# Altium PCB EinsyRetro.PcbDoc (part 3 of 5)
Units mil, origin at the board's own origin, x right, y up, seen from the top; angles counter-clockwise.
Board outline 4134 x 2795 mil, 6 copper layers (Top, GND, Signal Layer 1, Supply, Signal Layer 2, Bottom), stack 61.838 mil thick; 427 components, 287 nets, 1377 pads, 895 vias.
Unrouted connection lines stored in the file: 3.
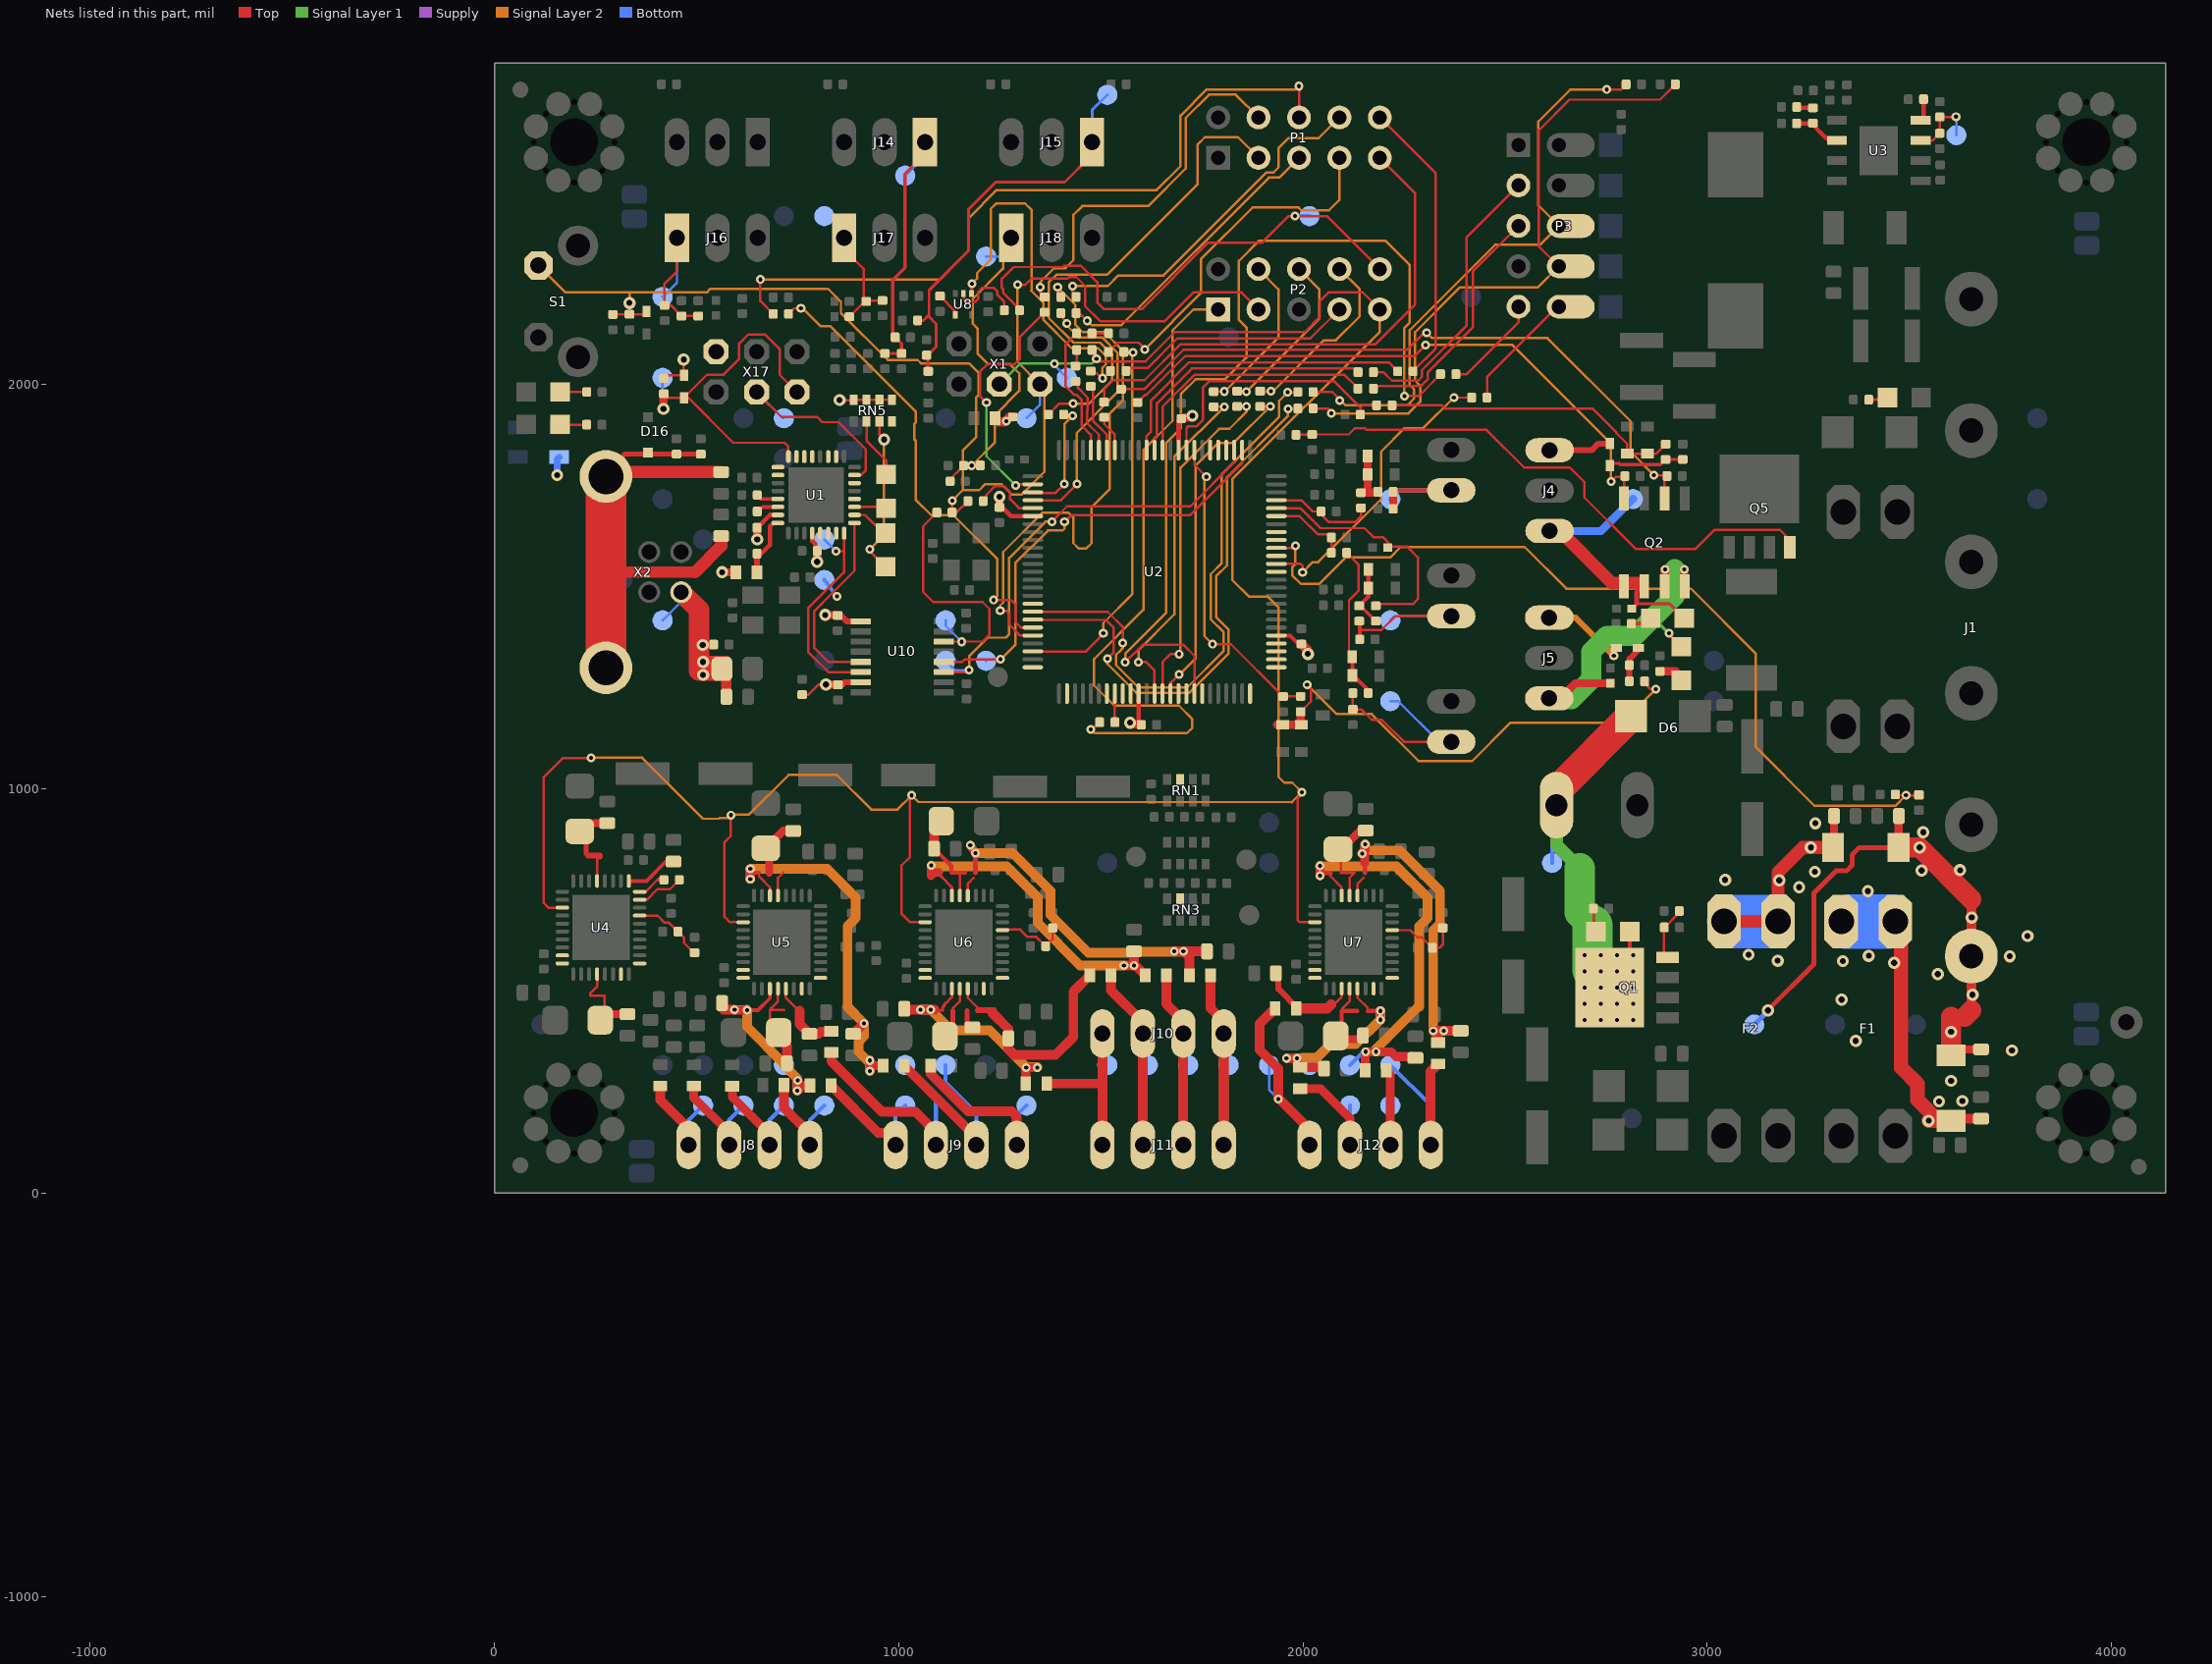
[diagram p7: the nets of this part, all layers, seen from the top]

## Via types
v1: diameter 22, hole 10, Top to Bottom, tented both sides, 330 vias
v2: diameter 22, hole 10, Top to Bottom, 295 vias
v3: diameter 30, hole 15, Top to Bottom, 194 vias
v4: diameter 30, hole 15, Top to Bottom, tented both sides, 45 vias
v5: diameter 29, hole 15, Top to Bottom, tented both sides, 27 vias
v6: diameter 32, hole 15, Top to Bottom, tented both sides, 4 vias

## Nets (pads, with @x,y where several pads share a name; then routed paths per layer and width w, separated by ;. In a path a pad name is that pad's centre, name@x,y a point inside that pad or via, vN(x,y) a via of type N, cw(c..) or ccw(c..) an arc to the next point about the centre after c; other vN are vias at no path point) (continued)
NetC66_1: C66.1 FB10.1 U5.34 | length 998.9
  Top w6: 654.2,792 654.2,782.8 681.47,755.53 U5.34@681.47,735.21
  Top w10: 633,789 636,792 654.2,792
  Top w22: v1(633,776) 633,789 v1(633,801) ; v2(928.25,301.25) 928.25,314.25 ; v2(928.25,327.25) 928.25,314.25 ; FB10.1@961.07,314.25 928.25,314.25
  Top w24: C66.1@887.25,393.02 888.02,393.02 v2(914.25,419.25)
  Signal Layer 2 w22: v1(633,776) v1(633,801)
  Signal Layer 2 w24: v1(633,801) 823,801 893.5,730.5 893.5,679.5 873.5,659.5 873.5,459.5 v2@914,419 ; v2(914.25,419.25) 914.25,387.25 900.25,373.25 900.25,348.25 928.25,320.25 v2(928.25,301.25)
NetC71_2: C71.2 R7.1 U5.33 | length 211.7
  Top w6: U5.33@701.16,735.21 701.16,778.95 714.2,792
  Top w20: 679.8,792 679.8,843.22 R7.1@671,852.02 714.21,895.23 C71.2@739,895.23
NetC72_1: C72.1 R8.1 U6.25 | length 212.7
  Top w6: U6.25@1246.25,651.25 1300.25,651.25 1318.5,633 ; 1318,633 1318.5,633 ; 1335.25,633 1318.5,633 ; C72.1@1359,606.1 C72.1@1359,614.7 ; R8.1@1381,655.1 1381,627.3 C72.1@1363.7,610 C72.1@1359,614.7 ; 1318.5,633 1340.7,633 C72.1@1359,614.7
NetC74_1: C74.1 FB5.2 U1.32 | length 156
  Top w11: C74.1@649.7,1581 660,1581 681,1602 681,1648 690.1,1657.1 U1.32@701,1657.1
  Top w15: FB5.2@649.18,1535 649.18,1580.48 C74.1@649.7,1581
NetC75_1: C75.1 FB13.1 U6.32 | length 1005.3
  Top w6: U6.32@1170.84,735.21 1171.38,735.75 1171.38,765 1185.17,778.8 ; v1@1184.38,845 1187.38,842 v1@1185.17,839.8
  Top w12: v1@1187.38,842 1189.8,839.58 1189.8,792
  Top w20: v1(1177,860) v1@1187.38,842
  Top w24: v1(1681,597) v1(1704,597) v1@1705,597 ; FB13.1@1718.82,538 1718.82,583.18 v1@1705,597 ; C75.1@1762.23,597 v1@1705,597
  Supply w24: v1@1682,597 v1(1704,597)
  Signal Layer 2 w20: v1(1177,860) 1190.16,840.11 v1@1190.69,839.31
  Signal Layer 2 w24: v1@1190.16,840.11 1281.89,840.11 ; 1305,817 1281.89,840.11 ; v1@1703,596 1588.55,596 1586.05,593.5 1468.5,593.5 1375,687 1375,747 1281.89,840.11
  other v1: 1190,840
NetC76_1: C76.1 R14.1 U7.25 | length 188
  Top w6: U7.25@2220.48,649.59 2265.41,649.59 2283,632 2293.7,632 C76.1@2319.7,606 2338,606 2346,614 R14.1@2346,655.1
NetC77_1: C77.1 J14.1 R71.2 RV34.2 TP40.TP | length 709
  Top w8: RV34.2@965.55,2076.09 R71.2@1006.89,2076.09 1006.89,2100.57 985,2122.46 985,2257.64 1015.75,2288.39 1015.75,2520.67 1064.82,2569.74 J14.1@1064.82,2598.68
  Bottom w8: TP40.TP@1016,2516 1064.82,2564.82 J14.1@1064.82,2598.68
NetC78_1: C78.1 FB17.1 U7.32 | length 900.4
  Top w6: U7.32@2134.84,735.21 2135.38,735.75 2135.38,765 2149.17,778.8 ; v1@2145.38,842 2148.38,845 2150.19,843.19 2151.38,842 v1@2149.17,839.8
  Top w10: 2152.8,791 2153,791.2 2153,816
  Top w22: 2153,816 2153,820.18 2152.25,820.93 2152.25,832.75 v1(2146,839) 2150.19,843.19 2154,847 v1(2154,862)
  Top w24: FB17.1@2334,371.18 2334,389 v1(2322,401) v1(2348,401) 2389.77,401 C78.1@2390,400.77
  Supply w22: v1(2146,839) 2154,847 v1(2154,862)
  Signal Layer 2 w24: v1(2146,839) 2154,847 ; v1(2154,862) 2154,847 ; v1@2322,400 v1(2322,401) ; v1(2348,401) v1(2322,401) ; 2154,847 2239,847 2339,747 2339,665 2322,648 v1(2322,401)
NetC79_1: C79.1 J15.1 R63.2 RV35.2 TP48.TP | length 1016.3
  Top w7: C79.1@1046.85,2158 1060.85,2158 1075,2172.15 1075,2232.48 1172.24,2329.72 1172.24,2432 1240.24,2500 1411,2500 1478.2,2567.2 J15.1@1478.2,2598.68 ; 1070.85,2168 1074,2168 1092.5,2149.5 1092.5,2092.5 1072,2072 1072,2033 RV35.2@1073,2032
  Bottom w7: J15.1@1478.2,2598.68 1478.2,2678.2 TP48.TP@1516,2716
NetC80_1: C80.1 FB18.1 TP19.TP U7.34 | length 1158.8
  Top w6: 2068.2,792 2068.2,791 2068.2,782.8 2095.47,755.53 U7.34@2095.47,735.21
  Top w10: v1(2042,784) 2049,791 2068.2,791
  Top w22: v1(2042,784) v1(2042,809) ; FB18.1@2153.82,303 2153.82,347.82 v1(2155,349) v1(2180,349) 2218,349 2230,337 2274.46,337 C80.1@2278,333.46
  Supply w22: v1(2042,784) v1@2042,810
  Signal Layer 2 w22: v1(2042,784) 2042,807 v1@2042,810 ; v1(2155,349) 2174,349 v1@2177,352
  Signal Layer 2 w24: v1@2042,807 2231,807 2307.5,730.5 2307.5,679.5 2287.5,659.5 2287.5,462.5 ; v1@2177,352 2287.5,462.5 ; 2287.5,459.5 2287.5,462.5
  Bottom w10: TP19.TP@2116,316 2149,349 v1(2155,349)
NetC82_2: C82.2 R25.1 U7.33 | length 242.9
  Top w6: R25.1@2088,852.02 2093.8,846.22 2093.8,791 2127.2,791 2115.16,778.95 U7.33@2115.16,735.21
  Top w20: R25.1@2088,852.02 2098.02,852.02 2141.85,895.85 2154.62,895.85 C82.2@2155,896.23
NetC83_1: C83.1 J16.1 R64.2 RV36.2 TP27.TP | length 435
  Top w6: J16.1@451.43,2362.46 451.43,2279.43 421,2249 C83.1@421,2194.85 436.62,2194.85 R64.2@462.56,2168.91 RV36.2@503.9,2168.91
  Bottom w6: TP27.TP@416,2216 451.43,2251.43 J16.1@451.43,2362.46
NetC85_1: C85.1 F1.1 FB1.2 | length 855.7
  Top w25: FB1.2@3608.33,183.23 C85.1@3677,183.23
  Top w36: F1.1@3479,657 3479,309.25 3480.25,309.25 3519.78,269.72 3519.78,229.78 FB1.2@3571.67,177.9 ; v3(3547.25,178.25) 3602.65,178.25 FB1.2@3603,177.9
  Bottom w85: F1.1@3342.81,646.25 F1.1@3449.25,646.25 ; F1.1@3350.81,695.25 F1.1@3457.25,695.25
  other v3: 3573,226 3631,227 3367,376 3332,478 3462,569 3335,573 3399.25,586.25 3397,746
NetC87_1: C87.1 F2.1 FB2.2 | length 777.7
  Top w20: FB2.2@3310.9,854 3313.23,856.33 C87.1@3313.23,932
  Top w32: F2.1@3040.95,671.39 F2.1@3174.95,671.39 3174.95,792.95 3236,854 v3(3256,854) FB2.2@3310.9,854
  Bottom w85: F2.1@3171,695 3064.56,695 F2.1@3040.95,671.39 3065.35,647 F2.1@3173,647
  other v3: 3174,574 3102,589 3227,756 3178,773 3044,774 3266,794 3267,914
NetC90_1: C90.1 U4.29 | length 130.4
  Top w9.5: U4.29@332.52,771.21 376.21,771.21 424.23,819.23 C90.1@443,819.23
NetC91_1: C91.1 U4.28 | length 81.3
  Top w6: U4.28@359.09,744.64 373.84,744.64 403.2,774 ; C91.1@414.3,774 403.2,774 ; C91.1@416.3,776 405.2,776 403.2,774
NetC91_2: C91.2 U4.27 | length 118.2
  Top w6: U4.27@359.09,724.95 359.14,725 377,725 403,751 434,751 C91.2@457,774
NetC93_1: C93.1 J17.1 R65.2 RV37.2 TP54.TP | length 277
  Top w6: J17.1@864.82,2362.46 864.82,2334 913.39,2285.43 R65.2@913.39,2204.43 ; RV37.2@877.79,2166.83 915.98,2205.02 R65.2@919.39,2205.02 921.36,2207 C93.1@960,2207
NetC96_1: C96.1 R12.1 U4.25 | length 176.4
  Top w6: U4.25@359.09,685.58 381.35,685.58 403.41,685.59 420,669 430.7,669 468.5,631.2 468.5,618.6 R12.1@491,596.1
NetC99_2: C99.2 R17.1 U4.33 | length 232.5
  Top w6: R17.1@226.8,878.22 R17.1@211,894.02 R17.1@231.21,914.23 ; U4.33@253.78,771.21 253.78,824.4 261,831.62
  Top w12: 226.8,839.2 R17.1@226.8,878.22
  Top w15: 232,834 261,834 261,831.62
  Top w20: R17.1@231.21,914.23 C99.2@279,914.23
NetC102_2: C102.2 R18.1 U4.14 | length 219.3
  Top w6: U4.14@253.78,540.9 253.78,509.78 236.8,492.8 236.8,488 272.2,488 R18.1@272.2,437.22 ; R18.1@261.98,427 R18.1@272.2,437.22 ; R18.1@276.76,441.77 R18.1@272.2,437.22
  Top w20: R18.1@276.76,441.77 C102.2@329,441.77
NetC106_1: C106.1 FB11.1 U5.15 | length 194.2
  Top w6: U5.15@720.84,504.9 720.84,482.39 752.81,450.42 755.42,450.42
  Top w24: 755.25,450.25 755.25,417.02 C106.1@779.25,393.02 802.42,393.02 807.25,397.86 831.68,397.86 FB11.1@833.25,399.43
NetC107_1: C107.1 FB12.1 TP53.TP U5.13 | length 583.4
  Top w9.5: v1(625,452) 652,452 681.47,481.47 U5.13@681.47,504.9
  Top w22: v1@595,452 v1(625,452)
  Top w24: C107.1@562.77,457 566.77,453 v1(594,453) v1@595,452 ; v2(750.25,278.25) 750.25,253.25 762.25,265.25 FB12.1@780.07,265.25
  Supply w22: v1(594,453) 624,453 v1(625,452)
  Signal Layer 2 w22: v1(594,453) v1@624,453
  Signal Layer 2 w24: v1@624,453 v1(625,452) 625,410 717.5,317.5 716,316 749.25,282.75 v2(749.25,252.25)
  Bottom w10: TP53.TP@716,316 750.25,281.75 v2(750.25,278.25)
NetC108_2: C108.2 R10.1 U5.14 | length 239.9
  Top w6: 684.17,456.8 701.16,473.78 U5.14@701.16,504.9 ; 717.2,452 681.8,452 681.8,405.19 R10.1@723.77,363.21
  Top w24: C108.2@723.77,320 R10.1@723.77,363.21
NetC112_1: C112.1 FB14.1 U6.34 | length 828.2
  Top w6: 1104.2,792 1104.2,782.8 1131.47,755.53 U6.34@1131.47,735.21
  Top w20: v1(1080,810) 1080,784 1088,792 1100,792
  Top w24: v1@1558.37,562 v1(1582,562) ; C112.1@1582,597.23 v1(1582,562) ; FB14.1@1609.82,538 1585.82,562 v1(1582,562)
  Signal Layer 2 w24: v1@1081,807 1267,807 1343.5,730.5 1343.5,667.5 1448.5,562.5 v1@1557,562.5
  other v1: 1557,562
NetC113_2: C113.2 R15.1 U6.33 | length 242.7
  Top w6: 1151,792 1151.16,791.84 U6.33@1151.16,735.21
  Top w10: C113.2@1087.23,851 1088,851 1129.8,809.2 1129.8,792 1151,792 1164.2,792
  Top w24: C113.2@1087.23,851 1087.23,900.21 R15.1@1105.02,918
NetC114_1: C114.1 FB15.1 U6.15 | length 567.2
  Top w6: U6.15@1170.84,504.9 1170.84,482.39 1195.17,458.06 1195.17,452
  Top w14: 1195.17,452 1236.38,452
  Top w24: 1230.25,446.25 1271.23,405.28 C114.1@1271.23,382 1271.23,354.77 1285,341 1388,341 1432,385 1432,497.18 FB15.1@1472.82,538
NetC115_1: C115.1 FB16.1 U6.13 | length 597
  Top w6: v1@1083.83,451 1108.2,451 ; 1115.15,467.78 1131.47,484.09 U6.13@1131.47,504.9
  Top w8: v1(1079,453) ccw(c1083.83,457.83) v1@1083.83,451 ; 1108.2,451 cw(c1131.93,451) 1115.15,467.77
  Top w22: v2(1315.25,309.25) v2(1342.25,309.25)
  Top w24: C115.1@1018,453 v1(1054,453) v1(1079,453) v1@1089,453 ; FB16.1@1314.07,270.25 v2@1314.07,308.07
  Supply w24: v1(1054,453) v1(1079,453)
  Signal Layer 2 w24: v1@1057,453 v1(1079,453) 1130,402 1224.5,402 1315.25,311.25 v2@1342.25,311.25
NetC116_2: C116.2 R22.1 U6.14 | length 184.8
  Top w6: 1134.17,452 1134.17,456.8 1151.16,473.78 U6.14@1151.16,504.9
  Top w12: R22.1@1115.98,387 1133.8,404.81 1133.8,451 ; 1169.2,451 1169.2,415.57 C116.2@1182,402.77
NetC117_1: C117.1 FB19.1 TP10.TP U7.15 | length 796.8
  Top w6: U7.15@2134.84,504.9 2134.84,482.39 2159.8,457.43 2159.8,450
  Top w10: 2159.8,450 v1(2191,450)
  Top w22: v1(1959,333) v1(1985,333) 1985,318.18 FB19.1@1993,310.18 2049.05,310.18 C117.1@2052.23,307 C117.1@2054,305.23 ; v1(2191,428) v1(2191,450)
  Supply w24: v1(2191,428) v1(2191,450)
  Signal Layer 2 w22: v1(1959,333) v1(1985,333) ; v1@1985,334 1998,334
  Signal Layer 2 w24: 1998,334 2034,334 ; 2053,353 2034,334 ; v1(2191,450) v1(2191,428) 2131,368 2068,368 2034,334
  Bottom w10: TP10.TP@2016,316 2076,376 2139,376 v1(2191,428)
NetC118_1: C118.1 FB20.1 U7.13 | length 256.5
  Top w6: 2070.2,458.83 2095.47,484.09 U7.13@2095.47,504.9
  Top w15: C118.1@1932.77,543 1939,536.77 1939,504 FB20.1@1987,456
  Top w25: FB20.1@1983.18,456 2059.58,456 2069.54,465.96
NetC119_2: C119.2 R26.1 U7.14 | length 237
  Top w6: 2098.17,452 2098.17,456.8 2115.16,473.78 U7.14@2115.16,504.9
  Top w10: R26.1@2088.98,380 R26.1@2080.98,388 2095.8,402.81 2095.8,450 2134.2,450
  Top w20: R26.1@2088.98,380 C119.2@2148.23,380
NetC120_1: C120.1 J18.1 R68.2 RV38.2 TP61.TP | length 930.7
  Top w6: C120.1@1122,1760 1160.12,1798.12 R68.2@1160.12,1798.77
  Top w15: R68.2@1160.12,1798.77 1161.1,1799.76 RV38.2@1202.14,1799.76
  Signal Layer 2 w6: v2(1180.49,1798.77) 1238,1856.28 1238,1923.7 1298,1983.7 1298,2027 1275,2050 1221,2050 1195,2076 1195,2138 1183,2150 1183,2211 1258,2286 1258,2342.25 J18.1@1278.2,2362.46 J18.1@1278.2,2334.8
  Bottom w6: TP61.TP@1216,2316 J18.1@1291,2316
NetC123_1: C123.1 J4.1 LED3.C Q2.5 TP22.TP | length 725.1
  Top w8: C123.1@2812.7,1445 2824.7,1457 2907,1457 LED3.C@2943,1421
  Top w12: 2824.7,1457 2824.7,1485.3 2839.56,1500.15 Q2.5@2844,1500.15
  Top w32: J4.1@2635,1637 2764,1508 Q2.5@2839,1508
  Top w40: J4.1@2610,1637 J4.1@2635,1637
  Bottom w20: J4.1@2610,1637 2737,1637 TP22.TP@2816,1716
NetC124_1: C124.1 J5.1 LED5.C Q2.7 TP23.TP | length 951.2
  Top w8: v1(2905,1384) 2905,1382 LED5.C@2936,1351
  Top w20: J5.1@2609,1223 2635.7,1223 2673.25,1260.55 C124.1@2760.25,1260.55 ; Q2.7@2894,1500.15 2895.25,1501.4 v1(2895.25,1542.25) ; v1(2943.25,1542.25) 2943.25,1500.91 Q2.7@2944,1500.15
  Signal Layer 1 w8: 2870,1427 2870,1419 v1(2905,1384)
  Signal Layer 1 w50: J5.1@2609,1221 2664,1221 2713,1270 2713,1339 2752,1378 2821,1378 2870,1427 2919,1476 2919,1543
  Bottom w20: v1(2895.25,1542.25) 2895.25,1536.75 TP23.TP@2916,1516 2917,1516 v1(2943.25,1542.25)
NetC131_1: C131.1 R24.2 | length 40.9
  Top w10: R24.2@3221,2686 3223.15,2683.85 C131.1@3261,2683.85
NetC131_2: C131.2 C132.2 U3.6 | length 131.8
  Top w10: C132.2@3221.85,2645 3258,2645 3270.7,2632.3 3270.7,2631.87 3278.32,2624.25 ; U3.6@3320.65,2603 3299.57,2603 3289.01,2613.56 ; 3278.32,2624.25 3278.75,2624.25 3289.01,2613.99 3289.01,2613.56 ; 3278.32,2624.25 3289.01,2613.56
NetC133_2: C133.2 U3.4 | length 55.1
  Top w10: U3.4@3527.35,2653 3534.85,2660.5 C133.2@3534.85,2705
NetD1_A: D1.A D5.K R6.1 R32.2 | length 128.3
  Top w20: R6.1@2144,1731.9 2160,1731.9 ; D5.K@2159.54,1819 2159.54,1732.36 2160,1731.9 ; R32.2@2185,1732 2184.9,1731.9 2160,1731.9
NetD6_A: D6.A LED2.C Q1.MB TP17.TP X13.2 | length 1047.7
  Top w10: Q1.MB@2757.81,507.68 2808,557.87 LED2.C@2808,646
  Top w75: X13.2@2627,961 2627,995 D6.A@2811,1179
  Signal Layer 1 w32: X13.2@2627,959 2627,860.5 2684.25,803.25
  Signal Layer 1 w75: X13.2@2627,959 X13.2@2627,961 ; 2684.25,803.25 2684.25,693.75 2716,662
  Signal Layer 1 w100: 2716,551 2716,662
  Bottom w10: TP17.TP@2616,816 2616,855.5 2627,866.5 X13.2@2627,959
  other v2: 2696.81,427.68 2736.81,427.68 2776.81,427.68 2816.81,427.68 2696.81,467.68 2736.81,467.68 2776.81,467.68 2816.81,467.68 2696.81,507.68 2736.81,507.68 2776.81,507.68 2816.81,507.68 2696.81,547.68 2736.81,547.68 2776.81,547.68 2816.81,547.68 2696.81,587.68 2736.81,587.68 2776.81,587.68 2816.81,587.68
NetD9_A: D9.A R28.1 R30.2 | length 94.5
  Top w15: R30.2@2807,1265 2807,1304.9 R28.1@2807.1,1305 2807.1,1320.36 D9.A@2834.78,1348.04
NetD9_C: D9.C J5.3 | length 219.6
  Top w15: v1(2768.7,1328.35) D9.C@2768.7,1349.02
  Signal Layer 2 w15: J5.3@2609,1423 2674.06,1423 v1(2768.7,1328.35)
NetD11_A: D11.A D12.K R37.1 R38.2 | length 160.7
  Top w8: R38.2@2142.1,1452 R37.1@2180,1414.1
  Top w10: R38.2@2138.54,1447.54 R38.2@2139,1448 ; R38.2@2142.1,1448 R38.2@2139,1448 ; D12.K@2161.54,1542 2161.54,1474.54 R38.2@2139,1452 R38.2@2139,1448
NetD13_A: D13.A D14.K R39.1 R41.2 | length 392.2
  Top w6: R39.1@2107.9,1583 R39.1@2110.68,1580.22 ; R39.1@2110.68,1583 R39.1@2110.68,1580.22 ; D14.K@2121.54,1326 2113.68,1333.86 2113.68,1465.68 2137,1489 2137,1553.9 R39.1@2110.68,1580.22
  Top w10: D14.K@2121.54,1326 2122.07,1325.46 D13.A@2122.07,1280 2124,1280 2161,1243 R41.2@2161,1236
NetD15_A: D15.A D35.K R33.1 R45.2 | length 751.1
  Top w6: R45.2@2220,1948 2343,1948 2351,1940 2716,1940 2775.25,1880.75 2775.25,1879.1 2802,1852.35 D35.K@2802,1828.54 D15.A@2852,1828.54 2873.64,1828.54 R33.1@2897,1851.9
NetD17_A: D17.A R29.1 R33.2 | length 185.8
  Top w8: D17.A@2759,1804.44 2780.8,1804.44 2784.24,1801 2884,1801 R33.2@2897,1814 ; R33.2@2897.5,1814 R29.1@2938.5,1814
NetD17_C: D17.C J4.3 | length 153.6
  Top w15: J4.3@2610,1837 2714.35,1837 2730.35,1853 D17.C@2757,1853
NetD33_A: D33.A D34.K R30.1 R44.2 | length 1229.6
  Top w6: R44.2@1994,1190 2020,1216 2020,1247 v1(2010,1257) ; R30.1@2844.9,1265 2844.9,1260.1 2859,1246 v1(2873,1246)
  Top w20: D34.K@1935.57,1157.46 D34.K@1950,1157.46 D33.A@1996,1157.46 1994,1159.46 R44.2@1994,1190
  Signal Layer 2 w6: v1(2010,1257) 2083,1184 2170,1184 2286,1068 2418,1068 2513,1163 2790,1163 v1(2873,1246)
NetFB6_2: FB6.2 J8.2 TP39.TP | length 296.3
  Top w22: FB6.2@588.25,263.89 588.25,237.25 680.25,145.25 J8.2@680.25,118.25
  Bottom w10: J8.2@680.25,118.25 680.25,180.25 TP39.TP@716,216
NetFB7_2: FB7.2 J8.3 TP56.TP | length 294.4
  Top w22: FB7.2@493.25,264.07 493.25,235.25 580.25,148.25 J8.3@580.25,118.25
  Bottom w10: J8.3@580.25,118.25 580.25,180.25 TP56.TP@616,216
NetFB8_2: FB8.2 J8.4 TP49.TP | length 287.4
  Top w24: FB8.2@410.25,264.07 410.25,229.25 480.25,159.25 J8.4@480.25,118.25
  Bottom w10: J8.4@480.25,118.25 480.25,180.25 TP49.TP@516,216
NetFB9_2: FB9.2 J9.1 TP57.TP | length 454.9
  Top w24: FB9.2@1079.07,314.25 1079.07,293.93 1171.75,201.25 1279.25,201.25 1292.06,188.44 J9.1@1292.06,118.25
  Bottom w10: J9.1@1292.06,118.25 1292.06,192.06 TP57.TP@1316,216
NetFB10_2: FB10.2 J9.2 TP50.TP | length 499.2
  Top w24: FB10.2@1013.43,314.25 1192.06,135.62 J9.2@1192.06,118.25
  Bottom w10: TP50.TP@1116,316 1116,273 1192,197 1192,118.32 J9.2@1192.06,118.25
NetFB11_2: FB11.2 J9.3 TP4.TP | length 620.1
  Top w24: FB11.2@839.43,347.07 FB11.2@833.25,347.07 833.25,325.25 958.25,200.25 1041.25,200.25 1092.06,149.44 J9.3@1092.06,118.25
  Bottom w10: TP4.TP@1016,316 1092.06,239.94 J9.3@1092.06,118.25
NetFB12_2: FB12.2 J9.4 TP58.TP | length 345.3
  Top w24: FB12.2@832.43,265.25 949.43,148.25 991.25,148.25 992.06,147.44 J9.4@992.06,118.25
  Bottom w10: J9.4@992.06,118.25 992.06,192.06 TP58.TP@1016,216
NetFB13_2: FB13.2 J10.1 J11.1 TP5.TP | length 679.8
  Top w24: FB13.2@1771.18,538 1771.18,456.82 J10.1@1803.8,424.2 ; J11.1@1803.8,157.73 J10.1@1803.8,424.2 ; J10.1@1803.8,433.32 J10.1@1803.8,424.2
  Signal Layer 2 w6: J10.1@1803,432.53 J10.1@1803.8,433.32
  Signal Layer 2 w24: J11.1@1803.8,157.73 1804,157.94 1804,274 1803.8,274.2 J10.1@1803.8,433.32
NetFB14_2: FB14.2 J10.2 J11.2 TP7.TP | length 681.4
  Top w24: FB14.2@1662.18,538 1662.18,466.82 J10.2@1703.8,425.2 ; J11.2@1703.8,157.73 J10.2@1703.8,425.2 ; J10.2@1703.8,433.32 J10.2@1703.8,425.2
  Signal Layer 2 w24: J11.2@1703.8,157.73 1704,157.94 1704,275 1703.8,275.2 J10.2@1703.8,433.32
NetFB15_2: FB15.2 J10.3 J11.3 TP6.TP | length 688.4
  Top w24: FB15.2@1525.18,538 1525.18,500.82 1603.8,422.2 J11.3@1603.8,157.73
  Signal Layer 2 w24: J11.3@1603.8,157.73 J10.3@1603.8,433.32
NetFB16_2: FB16.2 J10.4 J11.4 TP51.TP | length 689.1
  Top w24: FB16.2@1366.43,270.25 1502.54,270.25 1503.8,269 ; J11.4@1503.8,157.73 1503.8,269 ; J10.4@1503.8,433.32 1503.8,269
  Signal Layer 2 w24: J11.4@1503.8,157.73 J10.4@1503.8,433.32
NetFB17_2: FB17.2 J12.1 TP9.TP | length 407.5
  Top w24: J12.1@2315.61,157.73 2315.61,300.43 FB17.2@2334,318.82
  Bottom w10: TP9.TP@2216,316 2316.08,215.92 J12.1@2316.08,118.65
NetFB18_2: FB18.2 J12.2 TP59.TP | length 285.8